# KiCad board heepidermis-bo.kicad_pcb (continued)
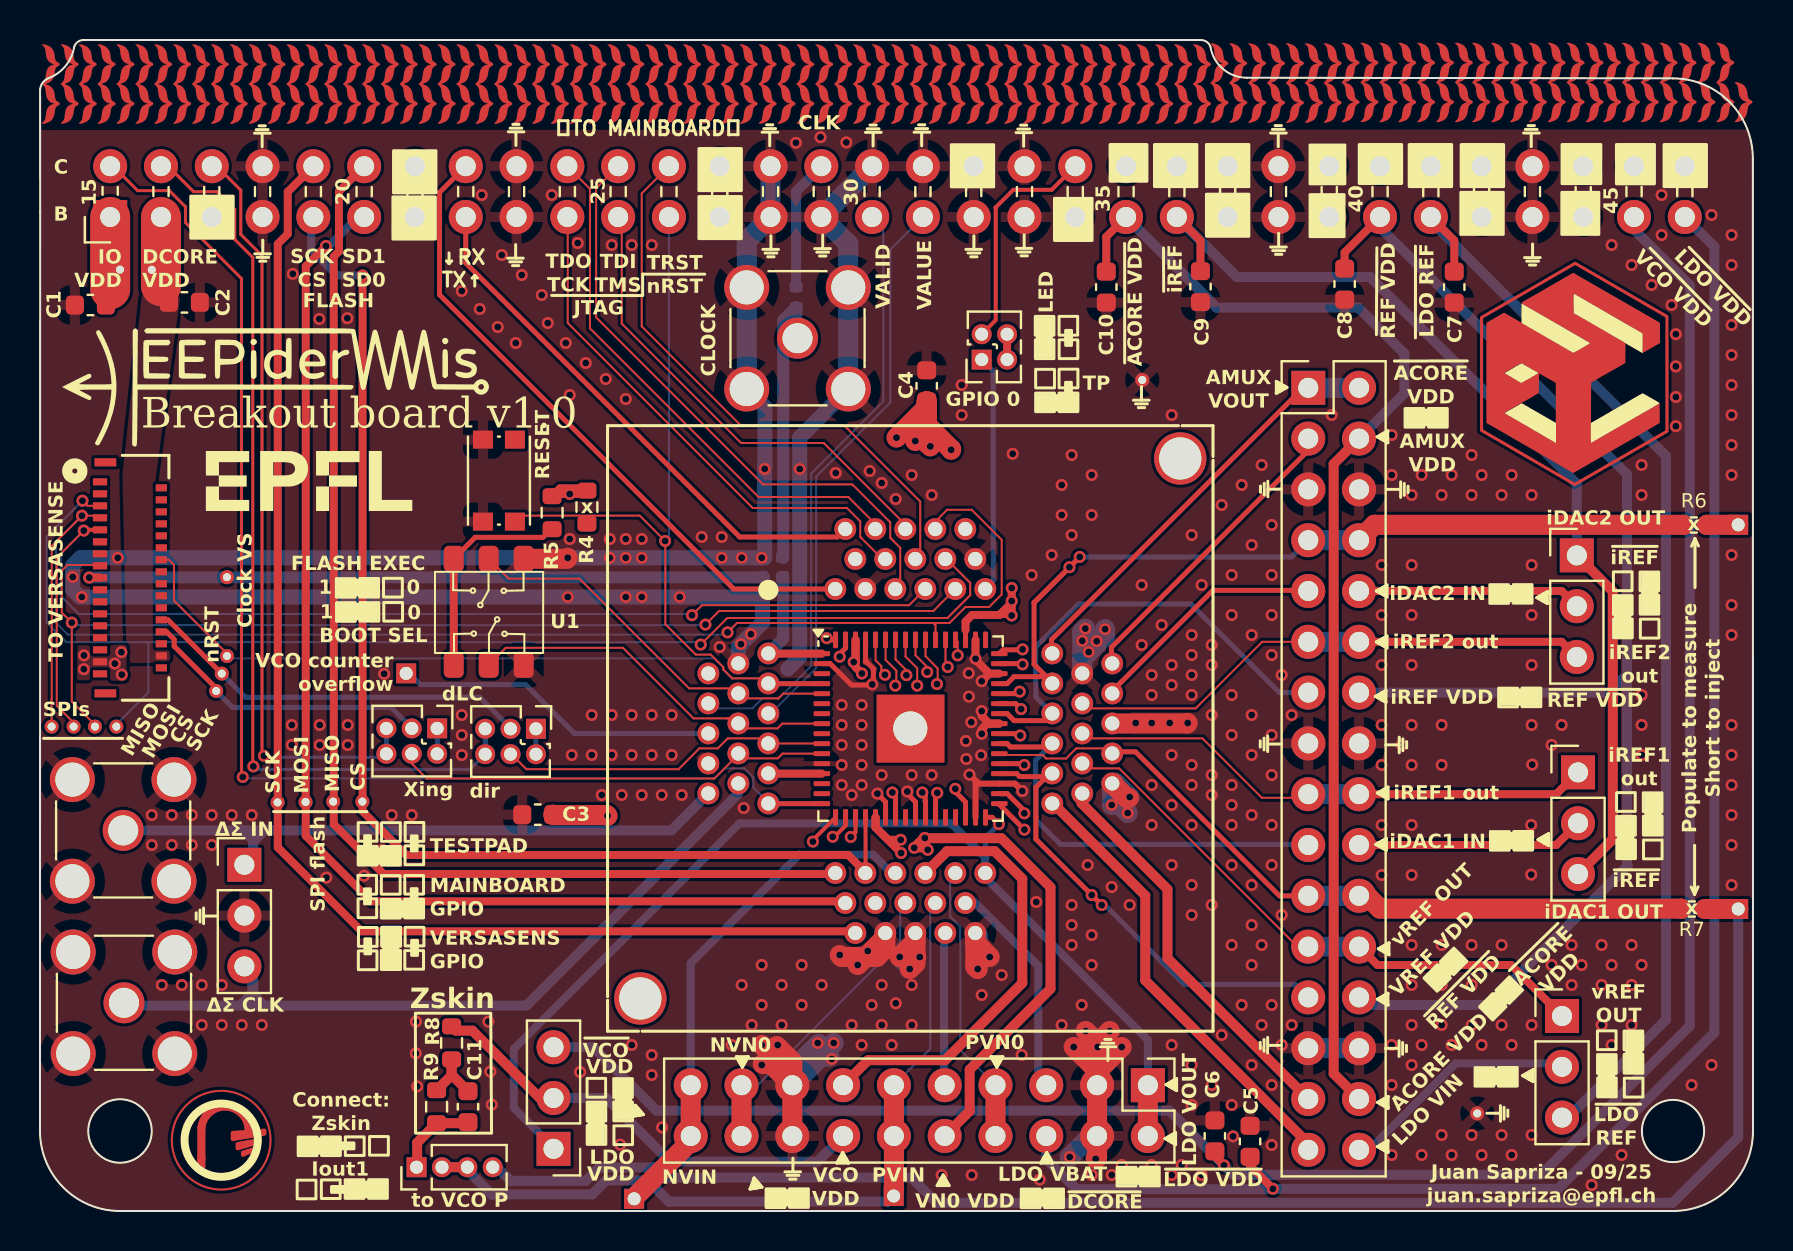
[diagram p0: board, top side]
## Nets
GND: C1.2 C2.2 C3.2 C4.2 C5.2 C6.2 C7.2 C8.2 C9.2 C10.2 HEEPidermis1.2 HEEPidermis1.12 HEEPidermis1.22 HEEPidermis1.25 HEEPidermis1.31 HEEPidermis1.35 HEEPidermis1.41 HEEPidermis1.46 HEEPidermis1.50 HEEPidermis1.61 HEEPidermis2.2 HEEPidermis2.12 HEEPidermis2.22 HEEPidermis2.25 HEEPidermis2.31 HEEPidermis2.35 HEEPidermis2.41 HEEPidermis2.46 HEEPidermis2.50 HEEPidermis2.61 J7.2 J9.2 J10.2 J11.2 J15.5 J15.6 J15.15 J15.16 J15.27 J15.28 J17.3 J17.4 J17.15 J17.16 J23.7 J23.8 J23.17 J23.18 J23.27 J23.28 J23.29 J23.32 J23.34 J23.35 J23.37 J23.38 J23.47 J23.48 J23.57 J23.58 J29.1 J30.1 SW1.2 U1.3 U1.6
/ACORE_VDD: HEEPidermis1.34 HEEPidermis2.34 J15.29
/AMUX_VDD: HEEPidermis1.47 HEEPidermis2.47 J15.3
/AMUX_VOUT: HEEPidermis1.48 HEEPidermis2.48 J15.1 J15.2
/BOOT_SEL: HEEPidermis1.8 HEEPidermis2.8 U1.2
/CLOCK: HEEPidermis1.1 HEEPidermis2.1 R1.1 R2.2
/CLOCK_coaxial: J11.1 R2.1 R3.2
/CLOCK_main: J23.30 R3.1
/CLOCK_vs: J2.17 J36.1 R1.2
/DSM_CLK_GPIO_4: HEEPidermis1.14 J7.3 J9.1
/DSM_IN_GPIO_5: HEEPidermis1.15 J7.1 J10.1
/EXEC_FLASH: HEEPidermis1.5 HEEPidermis2.5 U1.5
/EXIT_VALID: HEEPidermis1.6 J23.31
/EXIT_VALUE: HEEPidermis1.7 J23.33
/GPIO.LED_B_1: J6.5 J6.6 J23.6
/GPIO.LED_R_1: J5.5 J5.6 J23.4
/GPIO.LED_R_2: J8.2 J23.40
/GPIO_0: HEEPidermis1.49 J8.1
/GPIO_0_ext: J8.3 J8.4
/GPIO_6: HEEPidermis1.16 HEEPidermis2.16 J23.2
/iDAC1_inj: J18.1 J37.4 R7.2
/IDAC_1_IIN: HEEPidermis1.39 HEEPidermis2.39 J15.19
/IDAC_1_IOUT: HEEPidermis1.38 HEEPidermis2.38 J15.21 J15.22 R7.1
/IDAC_2_IIN: HEEPidermis1.44 HEEPidermis2.44 J15.9
/IDAC_2_IOUT: HEEPidermis1.45 HEEPidermis2.45 J15.7 J15.8 R6.1
/IREF_1_IOUT: HEEPidermis1.40 HEEPidermis2.40 J12.1 J15.17 J15.18
/IREF_2_IOUT: HEEPidermis1.43 HEEPidermis2.43 J13.3 J15.11 J15.12
/IREF_VDD: HEEPidermis1.42 HEEPidermis2.42 J15.13
/JTAG.TCK: HEEPidermis1.59 HEEPidermis2.59 J23.19
/JTAG.TDI: HEEPidermis1.58 HEEPidermis2.58 J23.22
/JTAG.TDO: HEEPidermis1.60 HEEPidermis2.60 J23.20
/JTAG.TMS: HEEPidermis1.57 HEEPidermis2.57 J23.21
/JTAG.TRST: HEEPidermis1.56 HEEPidermis2.56 J23.24
/LC_DIR_GPIO_2: HEEPidermis1.10 HEEPidermis2.10 J5.4
/LC_DIR_vs: J2.24 J5.3 J34.1
/LC_XING_GPIO_3: HEEPidermis1.11 HEEPidermis2.11 J6.4
/LC_XING_vs: J2.26 J6.3 J35.1
/LDO_VBAT: HEEPidermis1.30 HEEPidermis2.30 J17.5
/LDO_VIN: HEEPidermis1.33 HEEPidermis2.33 J15.31
/LDO_VOUT: HEEPidermis1.32 HEEPidermis2.32 J17.1 J17.2 J20.1
/nRST: HEEPidermis1.4 HEEPidermis2.4 J2.14 J23.23 J33.1 R4.1 SW1.1
/SPI_FLASH.CS0: HEEPidermis1.20 HEEPidermis2.20 J23.9 J24.1
/SPI_FLASH.SCK: HEEPidermis1.19 HEEPidermis2.19 J16.1 J23.10
/SPI_FLASH.SD0: HEEPidermis1.18 HEEPidermis2.18 J4.1 J23.11
/SPI_FLASH.SD1: HEEPidermis1.17 HEEPidermis2.17 J3.1 J23.12
/SPI_S_CS: HEEPidermis1.52 HEEPidermis2.52 J2.15 J25.1
/SPI_S_MISO: HEEPidermis1.54 HEEPidermis2.54 J2.7 J27.1
/SPI_S_MOSI: HEEPidermis1.55 HEEPidermis2.55 J2.9 J28.1
/SPI_S_SCK: HEEPidermis1.53 HEEPidermis2.53 J2.5 J26.1
/SUPPLY_ACORE_VDD: C10.1 J15.4 J15.30 J23.41
/SUPPLY_DCORE_VDD: C2.1 C4.1 HEEPidermis1.21 HEEPidermis1.51 HEEPidermis2.21 HEEPidermis2.51 J2.30 J17.10 J23.3 J32.1
/SUPPLY_IO_VDD: C1.1 C3.1 HEEPidermis1.13 HEEPidermis1.62 HEEPidermis2.13 HEEPidermis2.62 J2.31 J23.1 J31.1 R4.2 R5.2
/SUPPLY_IREF: C9.1 J12.3 J13.1 J23.43
/SUPPLY_LDO_REF: C7.1 J19.3 J23.53
/SUPPLY_LDO_VDD: C5.1 J17.6 J23.63
/SUPPLY_REF_VDD: C8.1 J15.14 J15.26 J23.51
/SUPPLY_VCO_VDD: C6.1 J20.3 J23.61
/UART.RX: HEEPidermis1.64 HEEPidermis2.64 J23.16
/UART.TX: HEEPidermis1.63 HEEPidermis2.63 J23.15
/VCO_CNT_OVF: HEEPidermis1.9 J1.1
/VCO_N_VIN: HEEPidermis1.23 HEEPidermis2.23 J17.19 J17.20 J21.1
/VCO_N_VN0: HEEPidermis1.24 J17.17 J17.18
/VCO_P_VIN: HEEPidermis1.27 HEEPidermis2.27 J17.11 J17.12 J22.1 J37.2 J37.3
/VCO_P_VN0: HEEPidermis1.29 J17.7 J17.8
/VCO_VDD: HEEPidermis1.26 HEEPidermis2.26 J17.13
/VCO_VDD_SEL: J17.14 J20.2 R8.2
/VCO_VN0_VDD: HEEPidermis1.28 J17.9
/VREF_VDD: HEEPidermis1.36 HEEPidermis2.36 J15.25
/VREF_VOUT: HEEPidermis1.37 HEEPidermis2.37 J15.23 J15.24 J19.1
Net-(C11-Pad1): C11.1 R8.1 R9.2
Net-(J5-Pin_1): J5.1 J5.2
Net-(J6-Pin_1): J6.1 J6.2
Net-(J12-Pin_2): J12.2 J15.20
Net-(J13-Pin_2): J13.2 J15.10
Net-(J14-Pin_1): J14.1 R6.2
Net-(J15-Pin_32): J15.32 J19.2
Net-(J37-Pin_1): C11.2 J37.1 R9.1
Net-(U1A-A): R5.1 U1.1 U1.4

Pads without a net: HEEPidermis1 3 65 66 67; HEEPidermis2 3 6 7 9 14 15 24 28 29 49 65; J2 1 2 3 4 6 8 10 11 12 13 16 18 19 20 21 22 23 25 27 28 29 32 33 34 35; J23 5 13 14 25 26 36 39 42 44 45 46 49 50 52 54 55 56 59 60 62 64

## Via types
v1: diameter 0.6, hole 0.35, Top to Bottom, 498 vias

## Routing (per net, layer and track width the routed paths; a pad name or vN(x,y) marks a point on that pad's centre or on a via; arc(x,y) is an arc through that point)
GND: length 213.7
  Top w0.25: HEEPidermis2.2 39.51,27.37 40.58,26.3 41.59,26.3 v1(41.62,26.33) 41.68,26.39 41.68,27.11 41.34,27.45 41.28,27.45 HEEPidermis2.61 ; HEEPidermis2.25 43.78,20.45 43.37,20.86 v1(43.37,20.97) ; HEEPidermis2.22 42.28,20.45 42.05,20.69 42.05,20.7 v1(41.87,20.87)
  Top w0.3: v1(49.12,21) 48.75,21.37 HEEPidermis2.35 46.93,21.37 46.78,21.52 ; 46.78,21.52 v1(46.48,21.82) ; 46.78,21.52 HEEPidermis2.31
  Top w0.4: v1(47.09,23.86) 47.09,24.09 47.37,24.37 HEEPidermis2.41 47.47,24.37 47.09,24.75 v1(47.09,25) ; 47.47,26.87 HEEPidermis2.46 ; 47.47,26.87 46.78,27.56 v1(46.78,27.61) HEEPidermis2.50 ; 47.47,26.87 v1(47.09,26.49)
  Top w1: J17.3 52.86,8.43 v1(52.29,9) ; J17.3 52.86,6.97 v1(54.09,8.2) ; J17.3 52.86,7.03 v1(51.69,8.2) ; J17.3 52.86,8.37 v1(53.49,9) ; J17.3 J17.4 52.86,2.67 52.83,2.64 52.79,2.64 ; J17.15 37.62,7.46 36.84,8.25 ; J17.15 36.56,7.35 36.14,7.35 ; J17.15 J17.16 ; J17.15 37.62,6.77 v1(36.09,8.3) ; HEEPidermis1.35 54.34,20.66 54.45,20.66 ; HEEPidermis1.25 43.77,12.75 43.82,12.7 ; HEEPidermis1.25 43.77,13.48 v1(42.99,12.7) ; HEEPidermis1.25 43.77,12.38 v1(43.49,12.1) ; v1(47.49,12.7) 46.77,13.42 HEEPidermis1.31 46.77,12.22 v1(46.89,12.1) ; v1(40.89,12.3) 42.27,13.68 HEEPidermis1.22 42.27,13.13 41.85,12.7 40.09,12.7 v1(39.99,12.8) ; U1.6 26.34,32.61 v1(26.39,32.66) ; HEEPidermis1.41 57.37,24.38 v1(57.39,24.4)
  Bottom w0.75: J11.2 36.25,40.19 36.25,37.28 36.24,37.27 v1(36.24,37.11) 36.24,32.66 v1(36.09,32.66) v1(35.09,32.66) v1(34.09,32.66) v1(30.09,32.66) v1(29.29,32.66) v1(28.49,32.66) v1(26.39,32.66) v1(3.89,32.66) 2.02,32.66 1.64,32.27 v1(1.64,31.7) 1.64,31.06 2,30.7 v1(2.09,30.7) v1(26.39,30.7) v1(29.29,30.7) v1(30.09,30.7) v1(31.99,30.7) 36.13,30.7 36.13,29.42 v1(35.55,28.84) v1(35.05,28.34) 34.92,28.21 HEEPidermis1.2 ; 37.39,27.1 37.99,27.7 v1(37.99,37.1) 37.99,38.67 J11.2
  Bottom w1: J11.2 J11.2 35.34,48.51 J23.27 J23.28 ; 46.77,13.18 HEEPidermis1.31 46.89,13.78 v1(46.89,12.1) ; v1(53.26,29.09) 53.26,28.77 v1(52.44,27.95) 52.12,27.63 HEEPidermis1.46 52.12,28.97 v1(52.27,29.12) ; 37.54,3.75 J17.16 37.64,3.75 ; HEEPidermis1.35 53.62,20.67 v1(54.39,19.9) ; HEEPidermis1.35 53.62,20.33 v1(53.59,20.3) ; HEEPidermis1.35 53.81,21.38 v1(54.49,20.7) ; J15.27 J15.28 ; 38.93,8.36 37.62,7.04 J17.15 ; 39.47,7.72 39.05,7.72 J17.15 ; J17.15 37.62,6.33 v1(39.69,8.4) ; J11.2 J11.2 40.42,48.35 J23.29 J23.32 ; v1(51.49,2.7) 52.54,3.75 J17.4 52.86,2.67 v1(52.79,2.6) ; 43.77,12.92 HEEPidermis1.25 43.77,13.19 43.13,12.56
  vias: v1(5.59,19.8) v1(5.59,18.3) v1(6.09,11.3) v1(6.59,19.8) v1(6.59,18.3) v1(7.09,11.3) v1(7.59,19.8) v1(7.59,18.3) v1(8.09,11.3) v1(8.09,9.3) v1(8.59,19.8) v1(8.59,18.3) v1(9.09,11.3) v1(9.09,9.3) v1(9.59,19.8) v1(10.09,9.3) v1(10.59,19.8) v1(11.09,9.3) v1(12.64,46.86) v1(12.59,24.3) v1(12.59,23.3) v1(13.97,44.6) v1(13.99,24.3) v1(13.99,23.3) v1(14.32,16.67) v1(15.37,44.64) v1(15.39,24.3) v1(15.39,23.3) v1(16.2,16.76) v1(17.12,18.05) v1(17.21,26.86) v1(17.59,19.8) v1(18.59,19.8) v1(18.8,9.47) v1(18.79,7.88) v1(18.86,6.23) v1(21.09,46) v1(21.09,24.8) v1(21.09,23.8) v1(21.09,22.8) v1(21.99,45.1) v1(22.09,50.8) v1(22.42,9.47) v1(22.52,6.97) v1(22.59,5.32) v1(22.89,44.2) v1(23.09,47.8) v1(23.79,43.4) v1(24.09,46.8) v1(25.09,45.8) v1(25.39,44.4) v1(25.59,50.8) v1(26.29,43.4) v1(26.49,40.8) v1(26.49,33.6) v1(26.59,22.8) v1(26.89,48.4) v1(27.01,6.95) v1(27.29,42.4) v1(27.59,24.8) v1(27.59,22.8) v1(27.71,3.7) v1(28.09,20.8) v1(28.29,41.6) v1(28.49,33.6) v1(28.59,48.3) v1(28.59,24.8) v1(28.59,22.8) v1(29.01,3.32) v1(29.09,20.8) v1(29.29,40.6) v1(29.29,33.6) v1(29.59,48.3) v1(29.59,24.8) v1(29.59,22.8) v1(29.59,8.3) v1(30.09,33.6) v1(30.09,20.8) v1(30.59,48.3) v1(30.59,24.8) v1(30.59,22.8) v1(30.59,7.8) v1(30.59,6.8) v1(31.09,20.8) v1(31.11,4.18) v1(31.59,24.8) v1(31.59,22.8) v1(32.09,20.8) v1(33.09,33.7) v1(33.99,28.2) v1(34.09,33.7) v1(34.59,8.3) v1(35.09,11.3) v1(35.19,20.15) v1(35.59,9.3) v1(36.09,12.3) v1(36.09,10.3) v1(36.09,7.3) v1(36.89,8.3) v1(37.09,11.3) v1(37.09,9.3) v1(37.8,53.41) v1(38.09,12.3) v1(38.09,10.3) v1(38.89,8.4) v1(39.03,53.69) v1(39.09,11.3) v1(39.59,7.6) v1(39.79,36.9) v1(40.09,25.3) v1(40.09,24.3) v1(40.09,23.3) v1(40.09,22.3) v1(40.09,21.3) v1(40.32,53.43) v1(40.59,20.8) v1(40.59,9.3) v1(41.09,25.3) v1(41.09,24.3) v1(41.09,23.3) v1(41.09,22.3) v1(41.09,21.3) v1(41.09,8.3) v1(41.39,13) v1(41.49,37) v1(41.59,10.3) v1(42.09,36.4) v1(42.09,21.8) v1(42.09,11.3) v1(42.09,9.3) v1(42.59,8.3) v1(42.79,35.6) v1(42.79,10.38) v1(43.59,36.8) v1(43.59,21.8) v1(43.59,11.3) v1(43.59,9.3) v1(43.99,12.7) v1(44.59,35.8) v1(44.59,21.8) v1(45.09,1.8) v1(46.09,41.3) v1(46.09,39.8) v1(46.3,23.5) v1(46.32,22.6) v1(46.44,26.89) v1(46.45,25.72) v1(46.57,24.44) v1(46.59,1.8) v1(47.06,22.79) v1(47.09,10.8) v1(48.09,11.8) v1(48.64,37.86) v1(49.09,7.8) v1(49.59,31.8) v1(49.82,15.45) v1(49.99,1.57) v1(50.59,32.8) v1(51.09,36.3) v1(51.09,34.8) v1(51.09,9.3) v1(51.59,37.8) v1(51.59,33.8) v1(51.59,15.3) v1(51.59,14.3) v1(51.59,13.3) v1(52.12,28.51) v1(52.09,10.3) v1(52.39,17.3) v1(52.59,36.8) v1(52.59,34.8) v1(52.59,13.8) v1(52.59,12.3) v1(52.59,1.8) v1(52.84,28.49) v1(52.89,8.2) v1(53.59,16.2) v1(53.59,1.8) v1(54.09,2.3) v1(54.49,15.3) v1(54.79,24.4) v1(55.09,31.3) v1(55.09,28.3) v1(55.09,1.8) v1(55.59,26.8) v1(55.59,25.8) v1(55.59,24.4) v1(55.59,21.3) v1(55.59,19.3) v1(55.59,2.3) v1(56.09,29.3) v1(56.49,24.4) v1(56.59,39.8) v1(56.59,27.3) v1(56.59,26.3) v1(56.59,22.8) v1(56.59,20.3) v1(56.59,17.3) v1(56.59,8.3) v1(56.59,1.8) v1(57.09,2.3) v1(57.59,33.8) v1(57.59,28.8) v1(57.59,27.8) v1(57.59,26.8) v1(57.59,25.8) v1(57.59,22.3) v1(57.59,21.3) v1(57.59,19.3) v1(57.59,16.3) v1(57.59,14.8) v1(57.59,7.3) v1(57.59,5.3) v1(58.09,31.3) v1(58.09,1.8) v1(58.59,28.3) v1(58.59,27.3) v1(58.59,24.8) v1(58.59,21.8) v1(58.59,20.8) v1(58.59,15.3) v1(58.59,6.3) v1(59.09,35.3) v1(59.09,8.8) v1(59.59,31.8) v1(59.59,29.8) v1(59.59,25.8) v1(59.59,23.8) v1(59.59,21.3) v1(59.59,20.3) v1(59.59,19.3) v1(59.59,17.3) v1(59.59,13.3) v1(59.59,5.3) v1(59.66,3.73) v1(60.09,36.3) v1(60.09,10.3) v1(60.59,33.3) v1(60.59,28.8) v1(60.59,24.8) v1(60.59,22.8) v1(60.59,19.8) v1(60.59,16.3) v1(60.59,14.3) v1(60.59,12.3) v1(60.59,7.3) v1(61.09,37.3) v1(61.09,13.3) v1(61.09,9.3) v1(61.59,34.3) v1(61.59,31.8) v1(61.59,29.8) v1(61.59,27.8) v1(61.59,23.8) v1(61.59,21.8) v1(61.59,19.3) v1(61.59,17.3) v1(61.59,10.3) v1(61.59,6.3) v1(61.59,3.3) v1(62.09,26.8) v1(62.09,14.8) v1(62.09,8.3) v1(62.59,24.8) v1(62.59,9.3) v1(64.59,39.8) v1(67.09,32.3) v1(67.09,29.8) v1(67.09,27.3) v1(67.09,24.3) v1(67.09,22.3) v1(67.09,19.3) v1(67.09,16.8) v1(67.59,38.8) v1(67.59,36.8) v1(67.59,8.3) v1(67.59,6.3) v1(67.59,2.8) v1(68.09,23.3) v1(68.59,35.8) v1(68.59,32.3) v1(68.59,29.8) v1(68.59,27.3) v1(68.59,24.3) v1(68.59,22.3) v1(68.59,19.3) v1(68.59,16.8) v1(68.59,13.3) v1(68.59,11.3) v1(68.59,9.3) v1(68.59,7.3) v1(69.09,36.8) v1(69.09,8.3) v1(69.09,2.8) v1(70.09,35.8) v1(70.09,24.3) v1(70.09,22.3) v1(70.09,13.3) v1(70.09,11.3) v1(70.09,9.3) v1(70.09,3.8) v1(70.59,36.8) v1(70.59,8.3) v1(70.59,2.8) v1(71.59,37.8) v1(71.59,35.8) v1(71.59,13.3) v1(71.59,11.3) v1(71.59,9.3) v1(71.59,3.8) v1(72.09,36.8) v1(72.09,8.3) v1(72.09,2.8) v1(73.09,35.8) v1(73.09,13.3) v1(73.09,9.3) v1(73.09,3.8) v1(73.59,36.8) v1(73.59,8.3) v1(73.59,2.8) v1(74.59,35.8) v1(74.59,32.3) v1(74.59,29.8) v1(74.59,27.3) v1(74.59,24.3) v1(74.62,22.32) v1(74.57,19.3) v1(74.57,16.82) v1(74.59,9.3) v1(74.59,3.8) v1(75.59,23.3) v1(75.59,12.3) v1(76.09,24.3) v1(76.59,13.3) v1(76.59,11.3) v1(77.09,12.3) v1(77.59,1.3) v1(78.09,13.3) v1(78.09,11.3) v1(78.09,9.3) v1(78.59,48.3) v1(78.59,12.3) v1(78.59,8.3) v1(79.09,2.8) v1(79.59,47.3) v1(79.59,13.3) v1(79.59,11.3) v1(79.59,9.3) v1(80.09,37.3) v1(80.09,35.8) v1(80.09,25.8) v1(80.09,24.3) v1(80.09,22.8) v1(80.09,12.3) v1(80.59,46.3) v1(81.09,50.8) v1(81.09,48.8) v1(81.59,45.3) v1(81.8,43.84) v1(81.8,42.23) v1(81.8,40.7) v1(81.8,39.24) v1(82.59,6.3) v1(83.59,49.8) v1(83.59,7.3) v1(84.59,48.8) v1(84.59,47.3) v1(84.59,44.3) v1(84.59,42.8) v1(84.59,41.3) v1(84.59,39.8) v1(84.59,38.3) v1(84.59,36.8) v1(84.59,32.8) v1(84.59,30.3) v1(84.59,28.8) v1(84.59,24.3) v1(84.59,22.8) v1(84.59,21.3) v1(84.59,19.8) v1(84.59,18.3) v1(84.59,16.3)
/ACORE_VDD: length 28.3
  Top w0.25: 48.38,20.87 HEEPidermis2.34 48.24,20.87 ; 48.46,20.77 49.22,20.01 v1(49.22,19.88)
  Top w0.5: 52.08,20.96 52.08,20.39 56.38,16.09 56.38,12.64 J15.29
  In2.Cu w0.25: HEEPidermis1.34 52.12,20.14 50.41,18.43 49.05,18.43 48.65,18.83 48.65,19.31 v1(49.22,19.88)
/AMUX_VDD: length 26.1
  Top w0.25: J15.3 63.42,38.03 53.58,28.19 53.58,27.46 ; HEEPidermis2.47 49.1,27.37 v1(49.13,27.33)
  In2.Cu w0.25: v1(49.13,27.33) 48.96,27.51 48.9,27.51 48.56,27.84 48.56,28.32 48.56,28.32 48.56,28.81 49.44,29.69 53.53,29.69 53.95,29.27 53.95,27.71 HEEPidermis1.47
/AMUX_VOUT: length 24
  Top w0.25: J15.1 63.17,41.16 50.58,28.57 50.58,27.96 ; v1(49.13,28.08) 49.13,28.07 49.12,28.06 48.16,28.06 HEEPidermis2.48
  In2.Cu w0.25: HEEPidermis1.48 50.44,28.06 49.15,28.06 49.13,28.07 v1(49.13,28.08)
  Bottom w1: J15.1 J15.2
/BOOT_SEL: length 19.2
  Top w0.1: 34.37,24.63 32.68,24.63 29.15,28.16 23.29,28.16 U1.2 ; 34.37,24.63 34.67,24.63 34.74,24.7 ; 34.37,24.63 34.67,24.63 HEEPidermis1.8 35.17,24.13 36.88,24.13 37.12,24.37 HEEPidermis2.8
/CLOCK: length 6.8
  Top w0.25: 36.43,27.87 HEEPidermis1.1
  Top w0.4: HEEPidermis2.1 36.43,27.87
  Bottom w0.6: HEEPidermis1.1 37.16,28.62 37.16,31.68
/CLOCK_coaxial: length 15.5
  Bottom w0.6: 37.16,42.92 37.16,44.53 37.82,45.19 37.82,43.7 ; 37.16,42.92 J11.1 ; 37.16,42.92 37.16,32.65 ; 37.82,43.7 J11.1 ; 37.82,43.7 J11.1
/CLOCK_main: length 6.6
  Bottom w0.5: J23.30 37.81,50.98 37.81,46.17
/CLOCK_vs: length 34.3
  Top w0.4: v1(2.46,31.67) 2.99,31.67 J2.17
  Bottom w0.6: v1(2.46,31.67) 2.47,31.68 36.21,31.68
/DSM_CLK_GPIO_4: length 42.2
  Bottom w0.5: J9.1 4.34,10.27 10.01,10.27 ; 10.66,11.79 10.66,10.81 11.2,10.27 ; 10.66,11.79 10.66,10.92 10.01,10.27 ; 10.66,11.79 J7.3 10.58,12.23 10.62,12.19 10.62,10.27 ; 10.01,10.27 10.62,10.27 ; 10.62,10.27 11.2,10.27 ; 11.2,10.27 24.32,10.27 34.88,20.83 34.88,21.46
/DSM_IN_GPIO_5: length 35
  Bottom w0.5: 10.74,19.03 11.27,19.03 ; 10.74,19.03 10.66,18.95 10.66,17.75 ; 10.74,19.03 10.17,19.03 ; 11.27,19.03 11.22,19.03 10.66,18.47 10.66,17.75 ; 11.27,19.03 31.57,19.03 HEEPidermis1.15 ; 10.17,19.03 10.66,18.54 10.66,17.75 ; 10.17,19.03 J10.1 ; 10.66,17.75 J7.1
/EXEC_FLASH: length 20.3
  Top w0.1: 34.88,25.96 34.71,26.13 ; 34.71,26.13 32.46,26.13 26.97,31.62 23.43,31.62 U1.5 ; 34.71,26.13 35.21,25.63 36.92,25.63 37.16,25.87 HEEPidermis2.5 ; 34.61,26.23 34.59,26.21
  Top w0.15: 34.88,25.96 34.61,26.23
/EXIT_VALID: length 30.7
  Top w0.1: 33.38,25.46 33.38,25.8
  Top w0.15: HEEPidermis1.6 33.69,25.11
  Bottom w0.1: 33.67,25.13 35.62,25.13 36.12,25.63 36.95,25.63 38.56,27.24 38.56,36.88 42.17,40.48 42.17,49.14 J23.31
/EXIT_VALUE: length 28.1
  Bottom w0.1: J23.33 42.52,48.07 42.52,40.43 38.81,36.72 38.81,27.14 36.63,24.96 36.38,24.96
/GPIO.LED_B_1: length 38.2
  Top w0.15: J23.6 8.84,52.24 10.04,51.04 10.04,48.83 11.1,47.77 11.1,22.86 v1(11.2,22.76)
  Bottom w0.15: J6.6 17.15,22.69 11.5,22.69 11.43,22.76 v1(11.2,22.76)
  Bottom w0.25: 17.33,24.14 17.33,22.88
/GPIO.LED_R_1: length 46.2
  Top w0.15: v1(10.67,22.23) 10.64,22.26 10.64,47.68 9.74,48.58 9.74,50.07 8.84,50.97 7.68,50.97 6.41,52.24 J23.4
  Bottom w0.15: J5.6 21.5,22.08 10.97,22.08 10.82,22.23 v1(10.67,22.23) 10.8,22.1
  Bottom w0.25: 22.26,24.15 22.26,22.88
/GPIO.LED_R_2: length 11.5
  Top w0.2: J23.40 50.59,51.06 48.67,51.06 47.78,50.17 47.79,50.16 47.79,44.54 J8.2
/GPIO_0: length 12
  Top w0.15: 47.23,31.18 47.23,31.27
  Bottom w0.25: HEEPidermis1.49 47.67,31.5 47.67,41.99 J8.1
/GPIO_0_ext: length 1.3
  Top w0.4: J8.4 J8.3
/GPIO_6: length 64.5
  Top w0.15: J23.2 3.66,52.24 4.88,51.02 6.46,51.02 7.28,50.21 7.28,49.42 10.08,46.62 10.08,21.76 v1(10.14,21.7)
  Top w0.25: HEEPidermis1.16 36.43,20.37 HEEPidermis2.16
  Bottom w0.1: v1(10.14,21.7) 10.32,21.7 10.39,21.63 33.73,21.63 34.23,22.13 35.22,22.13 35.67,21.69 35.67,21.18 36.42,20.43 HEEPidermis1.16
/iDAC1_inj: length 78
  Top w1: J18.1 83.24,15.1
  Bottom w0.5: J18.1 84.92,3.69 81.64,0.41 44.83,0.41 43.57,1.67 31.26,1.67 30.75,2.18 27.97,2.18 27.3,1.51 23.53,1.51 22.85,2.19 J37.4
/IDAC_1_IIN: length 21.1
  Top w0.25: HEEPidermis1.39 50.44,23.2 48.53,23.2 48.36,23.37 HEEPidermis2.39
  Bottom w0.25: HEEPidermis1.39 49.8,22.56 49.8,19.56 51.03,18.33 63.39,18.33 J15.19
/IDAC_1_IOUT: length 38.1
  Top w0.1: HEEPidermis1.38 53.37,23.13 51.82,23.13 51.31,22.62 50.31,22.62 50.13,22.8 48.04,22.8
  Top w0.25: 53.58,22.96 54.78,22.96 61.98,15.76 J15.21
  Top w1: R7.1 82.07,15.12 67,15.12 66.36,15.76 J15.22
  In2.Cu w0.1: 53.37,23.13 HEEPidermis1.38
  Bottom w1: J15.21 J15.22
/IDAC_2_IIN: length 18.5
  Top w0.25: HEEPidermis2.44 48.82,25.87 48.83,25.86 48.94,25.97 v1(48.99,25.97) ; J15.9 63.39,31.03 58.65,31.03 53.58,25.96
  In2.Cu w0.1: HEEPidermis1.44 53.37,26.12 51.8,26.12 51.37,26.55 51.37,26.68 50.93,27.12 50.14,27.12 49.18,26.16 49.19,26.16
/IDAC_2_IOUT: length 44.9
  Top w0.25: 50.58,26.73 50.58,26.46 49.71,27.33 49.71,30.42 ; HEEPidermis2.45 48.36,26.37 48.71,26.72 50.28,26.72 HEEPidermis1.45 ; 49.71,30.42 v1(51.48,32.19) ; 49.71,30.42 v1(51.99,32.7)
  Top w1: J15.8 66.73,34.31 82.18,34.31 R6.1
  Bottom w0.25: 50.58,26.8 50.58,26.46 50.58,26.62 ; v1(51.48,32.19) v1(51.99,32.7) 62.58,32.7 J15.7
  Bottom w1: 65.54,33.54 J15.7
/IREF_1_IOUT: length 31.2
  Top w0.1: 52.08,23.96 52.41,23.63 58.13,23.63 61.1,20.66 63.24,20.66 J15.17
  Top w0.25: HEEPidermis2.40 48.93,23.87 v1(49.02,23.77)
  Top w0.4: J15.18 75.82,20.84 J12.1
  In2.Cu w0.1: HEEPidermis1.40 51.87,24.12 49.56,24.12 49.22,23.77
  In2.Cu w0.25: v1(49.02,23.77) 49.22,23.77
  Bottom w1: J15.17 J15.18
/IREF_2_IOUT: length 31.4
  Top w0.1: J15.11 61.12,28.46 57.79,25.13 52.41,25.13 52.34,25.2
  Top w0.15: 52.08,25.46 52.34,25.2
  Top w0.25: v1(49.06,25.09) 48.78,25.37 HEEPidermis2.43
  Top w0.4: J13.3 76.09,28.46 J15.12
  In2.Cu w0.1: 49.24,25.1 49.24,25.09 v1(49.06,25.09) 49.59,25.62 51.87,25.62 HEEPidermis1.43
  Bottom w1: J15.11 J15.12
/IREF_VDD: length 23
  Top w0.25: HEEPidermis2.42 48.36,24.87 48.71,24.52 50.26,24.52 HEEPidermis1.42
  Bottom w0.25: HEEPidermis1.42 49.8,25.7 49.8,28.22 51.93,30.35 57.55,30.35 61.98,25.92 J15.13
/JTAG.TCK: length 35.8
  Top w0.1: J23.19 26.39,49.68 26.39,44.4 35.64,35.15 40.35,35.15 41.02,34.48 41.02,33.7 41.06,33.66 ; HEEPidermis2.59 42.28,27.56 42.83,27.01 42.83,26.32 v1(42.77,26.27) ; 41.06,33.66 41.02,33.7 ; 41.06,33.66 42.04,32.68 42.23,32.68
  In2.Cu w0.1: HEEPidermis1.59 42.02,32.35 42.02,27.81 42.77,27.06 v1(42.77,26.27)
/JTAG.TDI: length 37.6
  Top w0.1: HEEPidermis1.58 43.02,31.35 43.02,33.16 42.57,33.61 ; 42.57,33.61 42.52,33.66 ; 42.57,33.61 42.52,33.66 42.52,34.43 40.62,36.33 36.16,36.33 27.81,44.68 27.81,51.14 J23.22 ; HEEPidermis2.58 42.78,27.58 43.33,27.03 v1(43.33,26.79)
  In2.Cu w0.1: v1(43.33,26.79) 43.33,27.03 42.66,27.7 42.66,30.99 HEEPidermis1.58
  Bottom w0.15: 42.73,31.18 42.97,31.42
/JTAG.TDO: length 37.7
  Top w0.1: v1(42.25,26.81) 42.08,26.98 42.08,27.24 41.78,27.54 HEEPidermis2.60 ; 41.77,34.35 40.42,35.7 35.93,35.7 27.5,44.13 27.5,51.11 J23.20
  Top w0.25: HEEPidermis1.60 41.77,34.35
  In2.Cu w0.1: v1(42.25,26.81) 40.52,28.54 40.52,31.4 40.97,31.85 41.08,31.85 41.52,32.29 41.52,33.84 HEEPidermis1.60
/JTAG.TMS: length 35.4
  Top w0.1: v1(43.86,26.27) 43.86,27.14 43.28,27.72 HEEPidermis2.57 ; J23.21 29.09,49.52 29.09,44.37 35.06,38.4 39.19,38.4 43.27,34.32 HEEPidermis1.57
  Top w0.25: HEEPidermis1.57 43.27,34.36
  In2.Cu w0.1: HEEPidermis1.57 43.02,33.84 43.02,32.14 43.52,31.64 43.52,27.49 43.86,27.15 v1(43.86,26.27)
  Bottom w0.1: 43.23,34.18 43.47,34.42
/JTAG.TRST: length 37.8
  Top w0.1: v1(44.36,26.95) 44.36,27.2 43.78,27.79 HEEPidermis2.56 ; HEEPidermis1.56 44.02,32.85 44.02,35.47 40.19,39.3 35.02,39.3 30.09,44.23 30.09,50.88 J23.24
  In2.Cu w0.1: HEEPidermis1.56 43.83,32.6 45.02,31.41 45.02,27.6 v1(44.36,26.95)
  Bottom w0.1: 43.73,32.68 43.99,32.94
/LC_DIR_GPIO_2: length 16.6
  Top w0.1: HEEPidermis2.10 39.09,23.38 HEEPidermis1.10 36.17,23.63 34.39,23.63 33.89,23.13 32.97,23.13 31.93,22.09 24.32,22.09 23.53,22.88
/LC_DIR_vs: length 19.7
  Top w0.25: J34.1 6.4,29.56 J2.24
  Bottom w0.25: 23.53,24.15 21.99,25.69 10.27,25.69 J34.1
/LC_XING_GPIO_3: length 21.7
  Top w0.1: HEEPidermis2.11 37.13,22.87 36.89,22.63 35.17,22.63 HEEPidermis1.11 34.92,22.82 33.72,21.62 19.34,21.62 18.58,22.38 ; 34.8,23.21 34.72,23.13
/LC_XING_vs: length 14.8
  Top w0.25: J2.26 6.33,28.96 6.71,28.58 6.71,28.24 8.81,26.14 J35.1
  Bottom w0.25: J35.1 9.63,25.18 17.56,25.18 18.59,24.14
/LDO_VBAT: length 20.6
  Top w0.25: v1(45.77,21.11) 45.77,20.96 46.28,20.45 HEEPidermis2.30
  In2.Cu w0.25: HEEPidermis1.30 46.96,15.4 48.12,16.56 48.12,17.33 46.29,19.16 46.29,20.59 v1(45.77,21.11)
  Bottom w0.4: J17.5 49.92,6.69 49.92,12.25 46.69,15.48 46.23,15.48
/LDO_VIN: length 26.5
  Top w0.25: HEEPidermis2.33 47.97,20.32 v1(49.23,19.07)
  Top w0.5: J15.31 63.42,3.38 55.27,11.53 55.27,15.77 50.58,20.46
  In2.Cu w0.25: HEEPidermis1.33 49.31,19.07 v1(49.23,19.07)
/LDO_VOUT: length 55.3
  Top w0.25: HEEPidermis2.32 47.61,19.68 v1(47.95,19.34) ; 47.23,16.98 47.23,16.72
  Top w1: J17.1 J17.2
  Bottom w0.25: 47.27,17.67 47.27,18.66 v1(47.95,19.34)
  Bottom w0.4: J17.1 55.4,8.55 47.23,16.72 ; J20.1 25.5,2.93 25.5,3.35 23.69,5.16 23.69,8.1 34.97,19.38 45.56,19.38 47.27,17.67 HEEPidermis1.32
/nRST: length 71.1
  Top w0.1: 23.88,34.72 23.93,34.77 29.99,34.77 v1(31.26,33.5) 31.27,33.51 31.27,29.34 32.79,27.82 33.54,27.82 34.17,27.19 34.17,27.08 34.61,26.63 36.17,26.63 HEEPidermis1.4 ; 9.28,27.94 6.7,30.52 6.7,32.31 6.45,32.56 J2.14
  Top w0.25: HEEPidermis1.4 36.43,26.37 HEEPidermis2.4
  Bottom w0.1: v1(31.26,33.5) 31.45,33.69 J23.23 ; 9.28,27.94 9.59,27.63 33.72,27.63 34.17,27.18 34.17,27.07 34.61,26.63 36.13,26.63
/SPI_FLASH.CS0: length 60.7
  Top w0.2: HEEPidermis1.20 41.28,16.91 HEEPidermis2.20
  Top w0.4: 41.23,16.98 40.41,17.8 18.31,17.8 16.13,19.98 v1(16.13,46.78) 16.12,46.79
  Bottom w0.4: v1(16.13,46.78) 14.85,46.78 13.56,48.07 13.56,49.59 J23.9
/SPI_FLASH.SCK: length 71.8
  Top w0.2: HEEPidermis2.19 40.78,18.94 v1(40.54,18.7)
  Top w0.4: J23.10 12.39,50.96 12.39,48.85 11.89,48.35 11.89,18.18 16.09,13.98 40.73,13.98
  In2.Cu w0.1: 40.54,18.48 v1(40.54,18.7) 40.52,18.68 40.52,16.21 41.02,15.72 41.02,14.15 HEEPidermis1.19
/SPI_FLASH.SD0: length 68.5
  Top w0.2: v1(39.64,18.71) 39.72,18.71 40.28,19.27 HEEPidermis2.18
  Top w0.4: 40.23,15.48 16.57,15.48 13.29,18.76 13.29,47.24 v1(14.3,48.25)
  In2.Cu w0.2: v1(39.64,18.71) 39.33,19.02 38.39,19.02 38.03,18.66 38.03,16.85 39.48,15.4 HEEPidermis1.18
  Bottom w0.4: v1(14.3,48.25) 14.44,48.25 15.89,49.7 J23.11
/SPI_FLASH.SD1: length 63.4
  Top w0.2: v1(38.65,18.47) 38.65,18.55 HEEPidermis2.17
  Top w0.4: J23.12 14.95,50.98 14.95,47.98 14.69,47.72 14.69,19.34 17.18,16.85 39.6,16.85 39.73,16.98
  In2.Cu w0.2: HEEPidermis1.17 38.65,18.02 v1(38.65,18.47)
/SPI_S_CS: length 60.4
  Top w0.1: 45.77,31.23 HEEPidermis1.52 44.67,30 33.96,30 v1(33.28,29.32) ; J2.15 2.96,32.3 1.37,32.3 1.09,32.02 1.09,29.92 v1(1.59,29.42) 1.59,25.47 2.68,24.38 2.68,24.29 J25.1 ; v1(45.89,27.78) 45.89,28.45 HEEPidermis2.52
  In1.Cu w0.1: v1(45.89,27.78) 45.89,30.98 HEEPidermis1.52
  Bottom w0.1: 45.98,31.43 45.89,31.52 ; v1(33.28,29.32) 33.25,29.29 1.72,29.29 v1(1.59,29.42) ; 45.73,31.18 45.73,31.29
  Bottom w0.15: 45.73,31.18 45.98,31.43
/SPI_S_MISO: length 74.9
  Top w0.1: J2.7 2.9,34.76 v1(2.1,34.76) 0.59,33.26 0.59,25.61 0.58,25.6 J27.1 ; v1(34.38,28.93) 34.85,29.4 44.67,29.4 ; HEEPidermis2.54 44.78,29.29 44.67,29.4 ; 44.67,29.4 45.48,29.4 46.28,30.2 47.46,30.2 48.09,30.83 48.09,33.56 46.59,35.06 45.36,35.06 44.77,34.47 HEEPidermis1.54
  Bottom w0.1: v1(2.1,34.76) 0.81,33.48 0.81,29.41 1.4,28.82 34.27,28.82 v1(34.38,28.93) ; 44.48,34.43 44.73,34.18
/SPI_S_MOSI: length 67.3
  Top w0.1: HEEPidermis2.55 44.28,27.74 44.89,27.13 44.89,26.38 v1(44.85,26.34) ; HEEPidermis1.55 43.46,30.29 33.1,30.29 v1(32.6,29.79) ; v1(2.19,34.02) 0.84,32.67 0.84,25.26 1.68,24.42 J28.1
  Top w0.2: J2.9 2.23,34.06 v1(2.19,34.02)
  In1.Cu w0.1: HEEPidermis1.55 44.29,31.08 44.29,27.73 44.86,27.16 44.86,26.36 v1(44.85,26.34)
  Bottom w0.1: v1(32.6,29.79) 32.54,29.85 1.94,29.85 1.06,30.73 1.06,32.89 v1(2.19,34.02)
  Bottom w0.15: 44.23,31.18 44.47,31.42
/SPI_S_SCK: length 70.7
  Top w0.1: v1(2.12,35.51) 2.38,35.26 J2.5 ; v1(45.39,27.2) 45.28,27.31 HEEPidermis2.53 ; HEEPidermis1.53 45.33,32.6 46.52,31.41 46.52,30.79 45.38,29.65 34.37,29.65 v1(33.04,28.32)
  In2.Cu w0.1: HEEPidermis1.53 45.33,32.6 46.52,31.41 46.52,30.79 45.39,29.66 v1(45.39,27.2)
  Bottom w0.1: v1(33.04,28.32) 32.92,28.44 5.29,28.44 ; v1(2.12,35.51) 0.33,33.72 0.33,29.44 1.33,28.44 5.29,28.44 ; 5.29,28.44 5.42,28.44 5.42,25.93 3.82,24.33 J26.1
/SUPPLY_ACORE_VDD: length 59.2
  Top w0.4: C10.1 53.32,48.71 J23.41
  Top w0.5: J15.4 64.69,37.35 64.69,6.87 J15.30
  Bottom w0.5: J15.4 68.23,40.89 68.23,42.87 65.93,45.17 58.84,45.17 J23.41
/SUPPLY_DCORE_VDD: length 131.5
  Top w0.25: 48.59,30.41 v1(48.59,30.5) ; v1(48.59,30.5) 48.59,31.15 v1(48.59,31.15) ; v1(48.59,30.5) 48.49,30.39 48.49,30.02 48.24,29.77 ; 48.06,29.88 47.97,29.88 48.07,29.77 48.24,29.77 ; 48.24,29.77 v1(48.59,29.77) ; v1(43.72,18.16) 43.81,18.06 v1(44.39,18.06) 44.39,18.51 v1(44.25,18.65)
  Top w0.4: v1(43.04,18.56) 42.41,18.56 41.78,19.18 HEEPidermis2.21 41.78,19.18 v1(43.06,17.9) ; 48.59,30.41 47.98,29.8 46.61,29.8 46.28,29.47 46.28,29.06 ; v1(48.59,31.15) 48.59,29.78 v1(48.59,29.77)
  Top w0.5: J17.10 46.49,5 46.49,7.07 50.53,11.11 50.53,16.19 48.08,18.64 44.2,18.64 v1(43.72,18.16) 43.75,18.16 v1(44.25,18.65)
  Top w1: v1(45.56,38.06) 45.56,38.09 44.34,39.31 C4.1 ; C4.1 44.34,39.07 v1(43.77,38.5) ; C4.1 44.34,40.18 v1(42.83,38.67) ; C4.1 44.34,38.41 v1(44.52,38.23)
  Top w2: J23.3 6.05,46.24
  In1.Cu w1: 48,35.77 46.97,34.75 46.92,34.75 ; 48,35.77 46.42,37.35 46.27,37.2 HEEPidermis1.51 ; 48,35.77 48.59,35.18 ; 48.59,33.04 v1(48.59,30.5) 48.59,28.86 ; 48.59,33.04 47.53,34.1 HEEPidermis1.51 ; 48.59,33.04 48.59,35.18 ; HEEPidermis1.51 46.92,34.75 ; HEEPidermis1.51 47.51,34.1 48.59,35.18 ; 46.92,34.75 46.92,36.02 ; 44.05,18.47 44.47,18.47 48.04,22.03 48.04,28.33 48.58,28.87
  In1.Cu w2: J23.3 6.05,49.28 16.66,38.67 v1(42.83,38.67) 44.31,38.67 47.6,35.38
/SUPPLY_IO_VDD: length 115.4
  Top w0.4: v1(26.49,35.85) 25.72,35.85 R5.2 ; v1(26.49,35.85) 26.5,35.86 ; v1(26.49,35.85) 27.06,35.85 27.28,36.07 ; HEEPidermis1.13 36.43,21.87 HEEPidermis2.13 ; 25.61,35.76 R5.2 ; R5.2 26,36.13 27.22,36.13 27.28,36.07 ; v1(41.1,26.88) 40.78,27.19 HEEPidermis2.62 40.78,27.54 v1(40.69,27.45) ; 27.28,36.07 27.1,36.07
  Top w1: C3.1 25.69,19.8 28.34,19.8 v1(28.38,19.76)
  Top w2: J23.1 3.51,46.09
  In1.Cu w0.4: v1(41.1,26.88) 41.1,27.04 v1(40.69,27.45)
  In1.Cu w0.6: v1(40.69,27.45) 40.69,27.2 39.93,26.44 ; 39.93,26.44 37.62,26.44 37.62,22.88 ; 39.93,26.44 40.67,26.44 v1(41.1,26.88)
  In1.Cu w1: 37.62,21.01 37.62,19.88 36.9,19.17 28.97,19.17 v1(28.38,19.76) ; 37.62,21.01 36.75,21.88 HEEPidermis1.13 36.61,21.88 37.62,22.88 37.62,23.14 ; 37.62,21.01 37.62,23.14 ; 40.08,32.6 HEEPidermis1.62 38.18,32.6 ; 38.18,32.6 37.31,33.47 37.31,33.89 37.62,33.58 37.62,32.04 ; 38.18,32.6 37.62,32.04 ; 37.62,32.04 37.62,23.14
  In1.Cu w2: 10.14,34.9 2.73,27.49 2.46,27.49 ; 10.14,34.9 10.44,35.2 35.64,35.2 37.88,32.96 37.88,32.89 ; 10.14,34.9 10.14,35.45 3.51,42.08 J23.1
  vias: v1(2.2,27.78) v1(2.19,27.09) v1(3.74,27.37) v1(4.07,27.94) v1(4.09,26.82)
/SUPPLY_IREF: length 49.7
  Top w0.4: J23.43 58.03,48.52 C9.1
  Top w0.5: J12.3 78.65,18.59 78.65,30.98 J13.1
  Bottom w0.5: J23.43 59.85,46.7 66.51,46.7 76.85,36.36 J13.1
/SUPPLY_LDO_REF: length 55.5
  Top w0.4: C7.1 70.72,48.53 J23.53
  Bottom w0.5: J19.3 76.42,4.67 81.31,9.56 81.31,37.75 69.55,49.51 J23.53
/SUPPLY_LDO_VDD: length 81.9
  Top w0.4: C5.1 60.51,2.26 61.65,1.12 v1(61.65,1.11)
  Bottom w0.5: J23.63 83.73,48.22 83.73,8.92 75.92,1.11 v1(61.65,1.11) 61.63,1.09 51.83,1.09 50.32,2.6 J17.6
/SUPPLY_REF_VDD: length 72
  Top w0.4: C8.1 65.24,47.93 J23.51
  Bottom w0.5: 79.36,27.66 79.36,26.82 78.46,25.92 J15.14 ; 79.36,27.66 79.36,17.29 79.39,17.26 72.43,10.3 66.34,10.3 J15.26 ; 79.36,27.66 79.36,36.83 67.01,49.18 J23.51
/SUPPLY_VCO_VDD: length 105.5
  Top w0.4: C6.1 58.75,2.74 v1(59.21,2.28)
  Bottom w0.5: J20.3 27.66,8.19 30.83,5.02 56.47,5.02 v1(59.21,2.28) 59.68,1.81 75.06,1.81 82.5,9.25 82.5,46.28 79.71,49.07 J23.61 79.71,49.28
/UART.RX: length 36
  Top w0.25: J23.16 19.98,50.93 19.98,45.81 34.69,31.1 HEEPidermis1.64 ; HEEPidermis2.64 39.42,28.56 v1(39.34,28.64)
  In2.Cu w0.25: v1(39.34,28.64) 39.34,30.67 HEEPidermis1.64
/UART.TX: length 36.1
  Top w0.1: 40.3,34.25 40.23,34.18
  Top w0.25: HEEPidermis2.63 40.28,28.15 39.97,27.83 39.97,27.73 v1(39.99,27.71) ; J23.15 21.29,47.4 34.99,33.7 39.87,33.7 HEEPidermis1.63
  In2.Cu w0.25: v1(39.99,27.71) 39.45,27.71 38.72,28.45 38.72,32.55 HEEPidermis1.63
